# Altium PCB Fri3D_2018_00.PcbDoc (part 1 of 2)
Units mm, origin at the board's own origin, x right, y up, seen from the top; angles counter-clockwise.
Board outline 118.52 x 103.1 mm, 2 copper layers (Top Layer, Bottom Layer), stack 1.571 mm thick; 163 components, 107 nets, 522 pads, 207 vias.
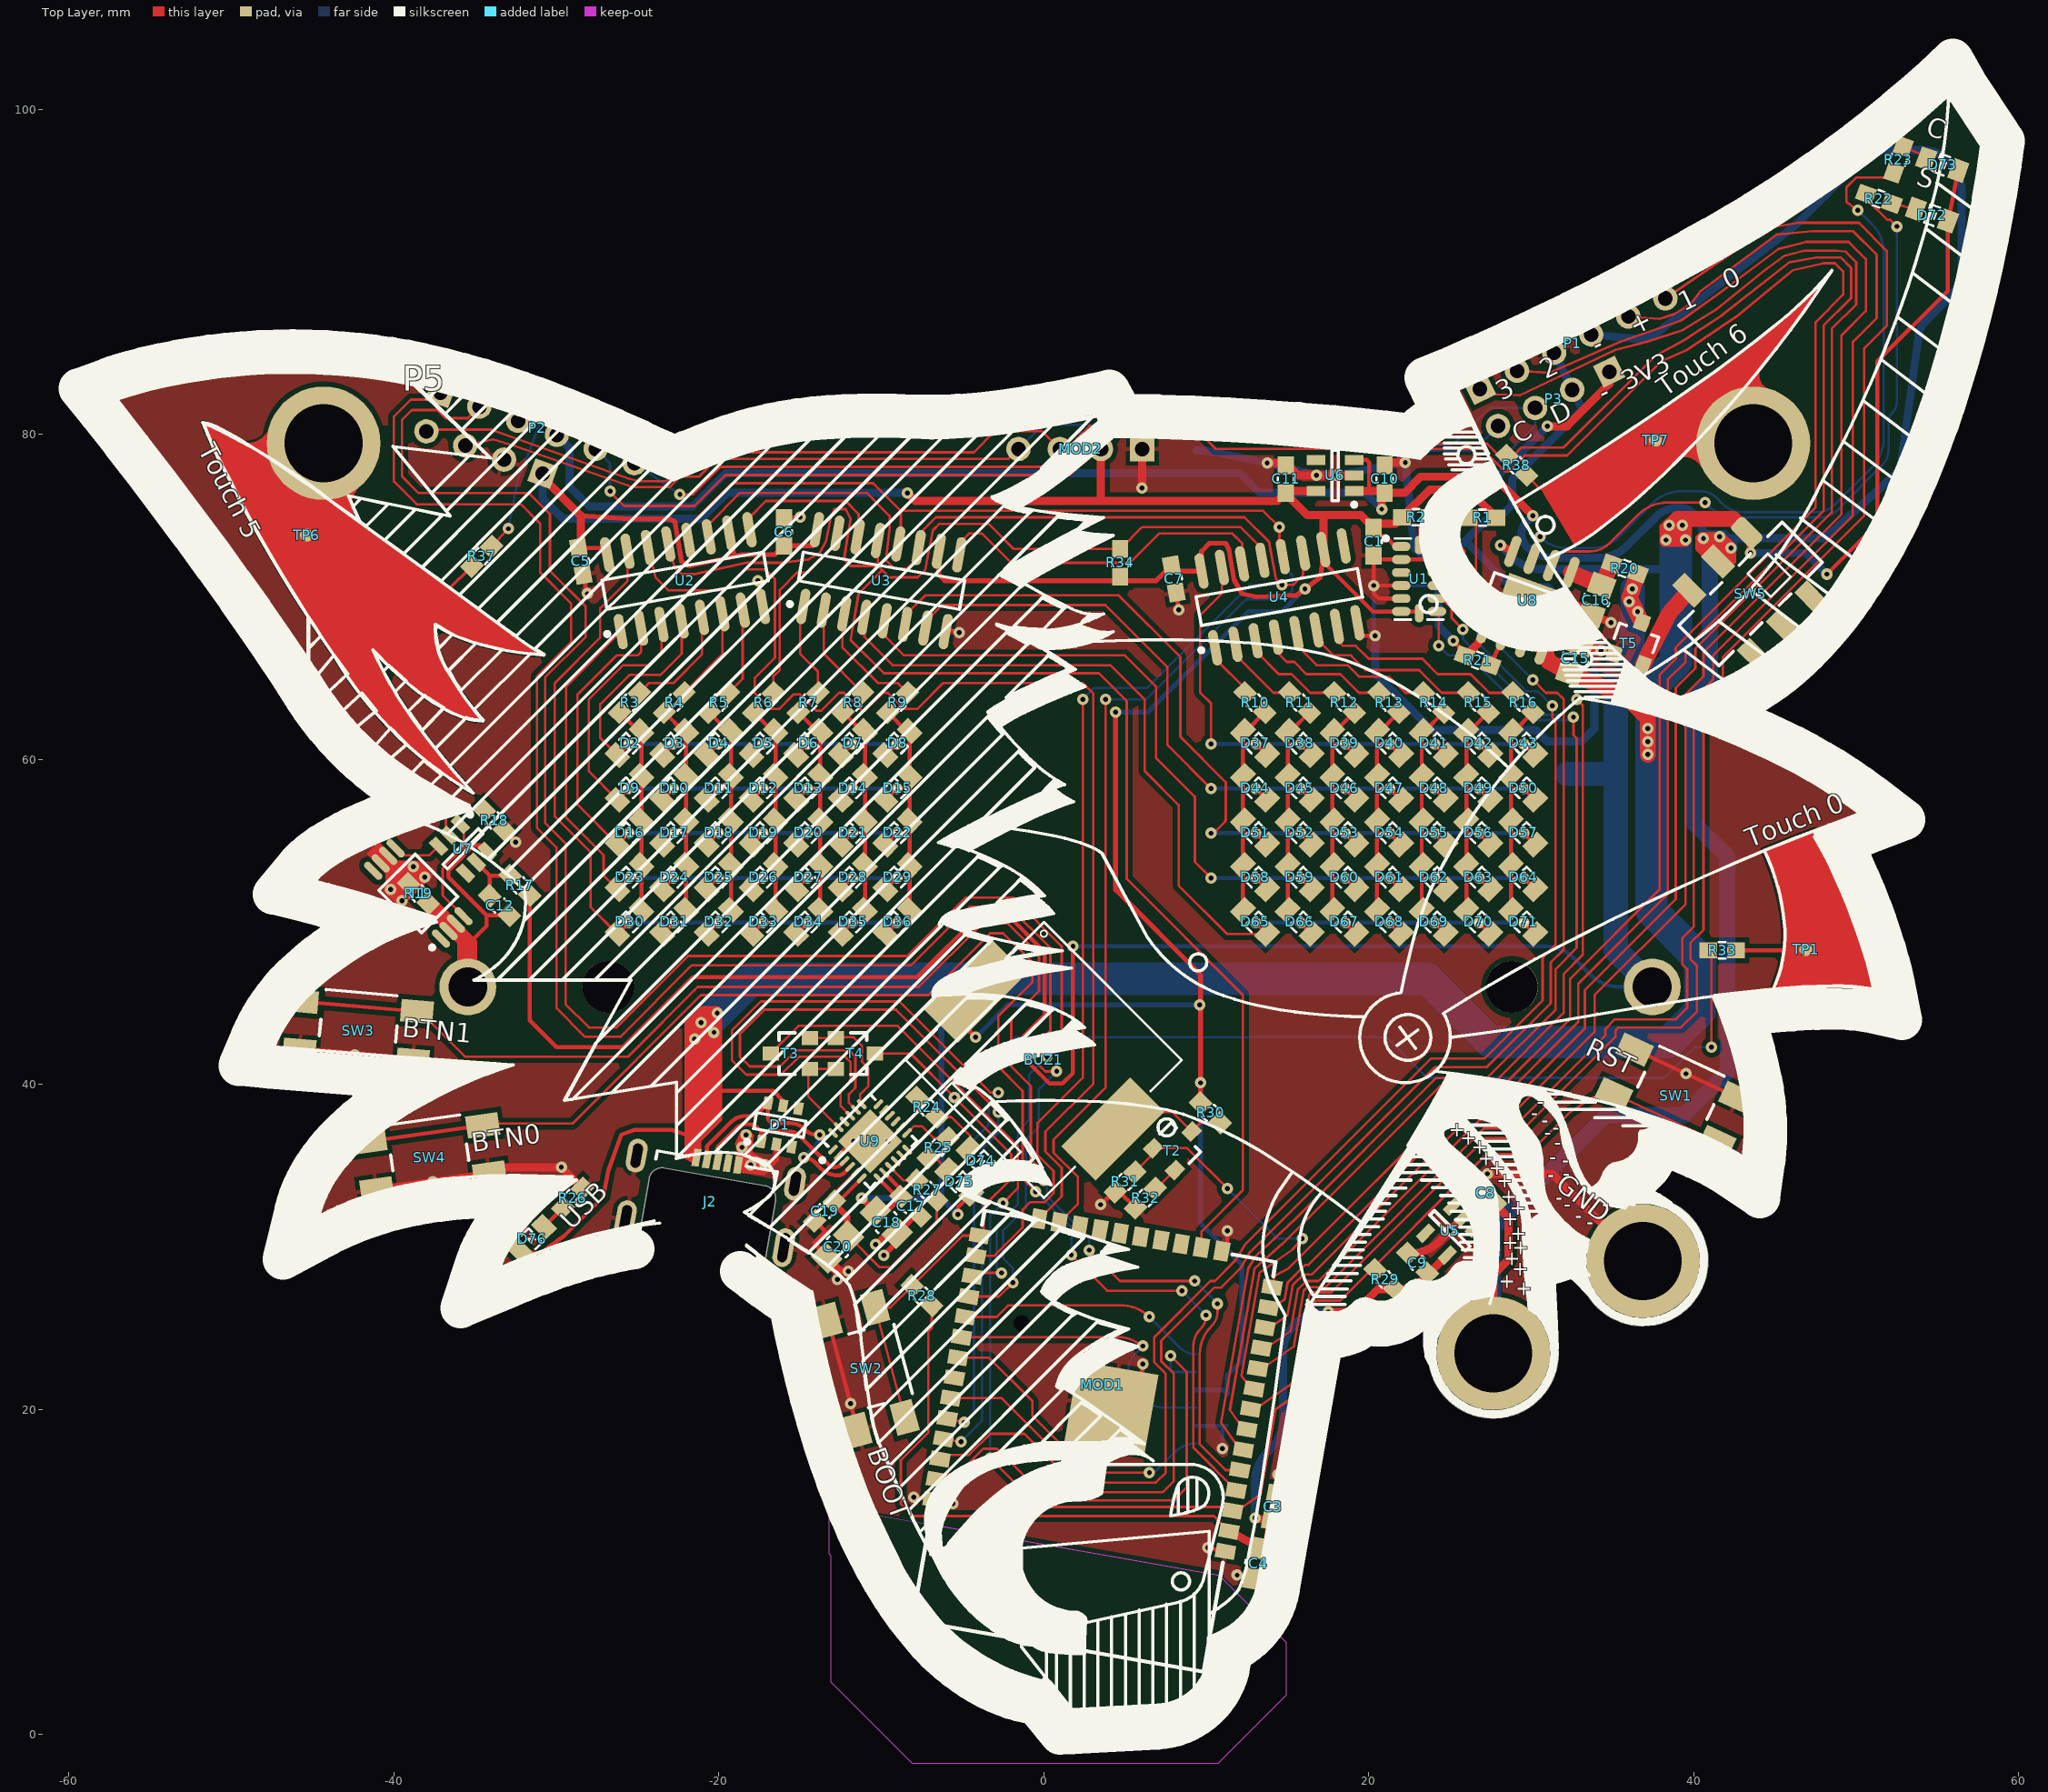
[diagram p0: Top Layer view]
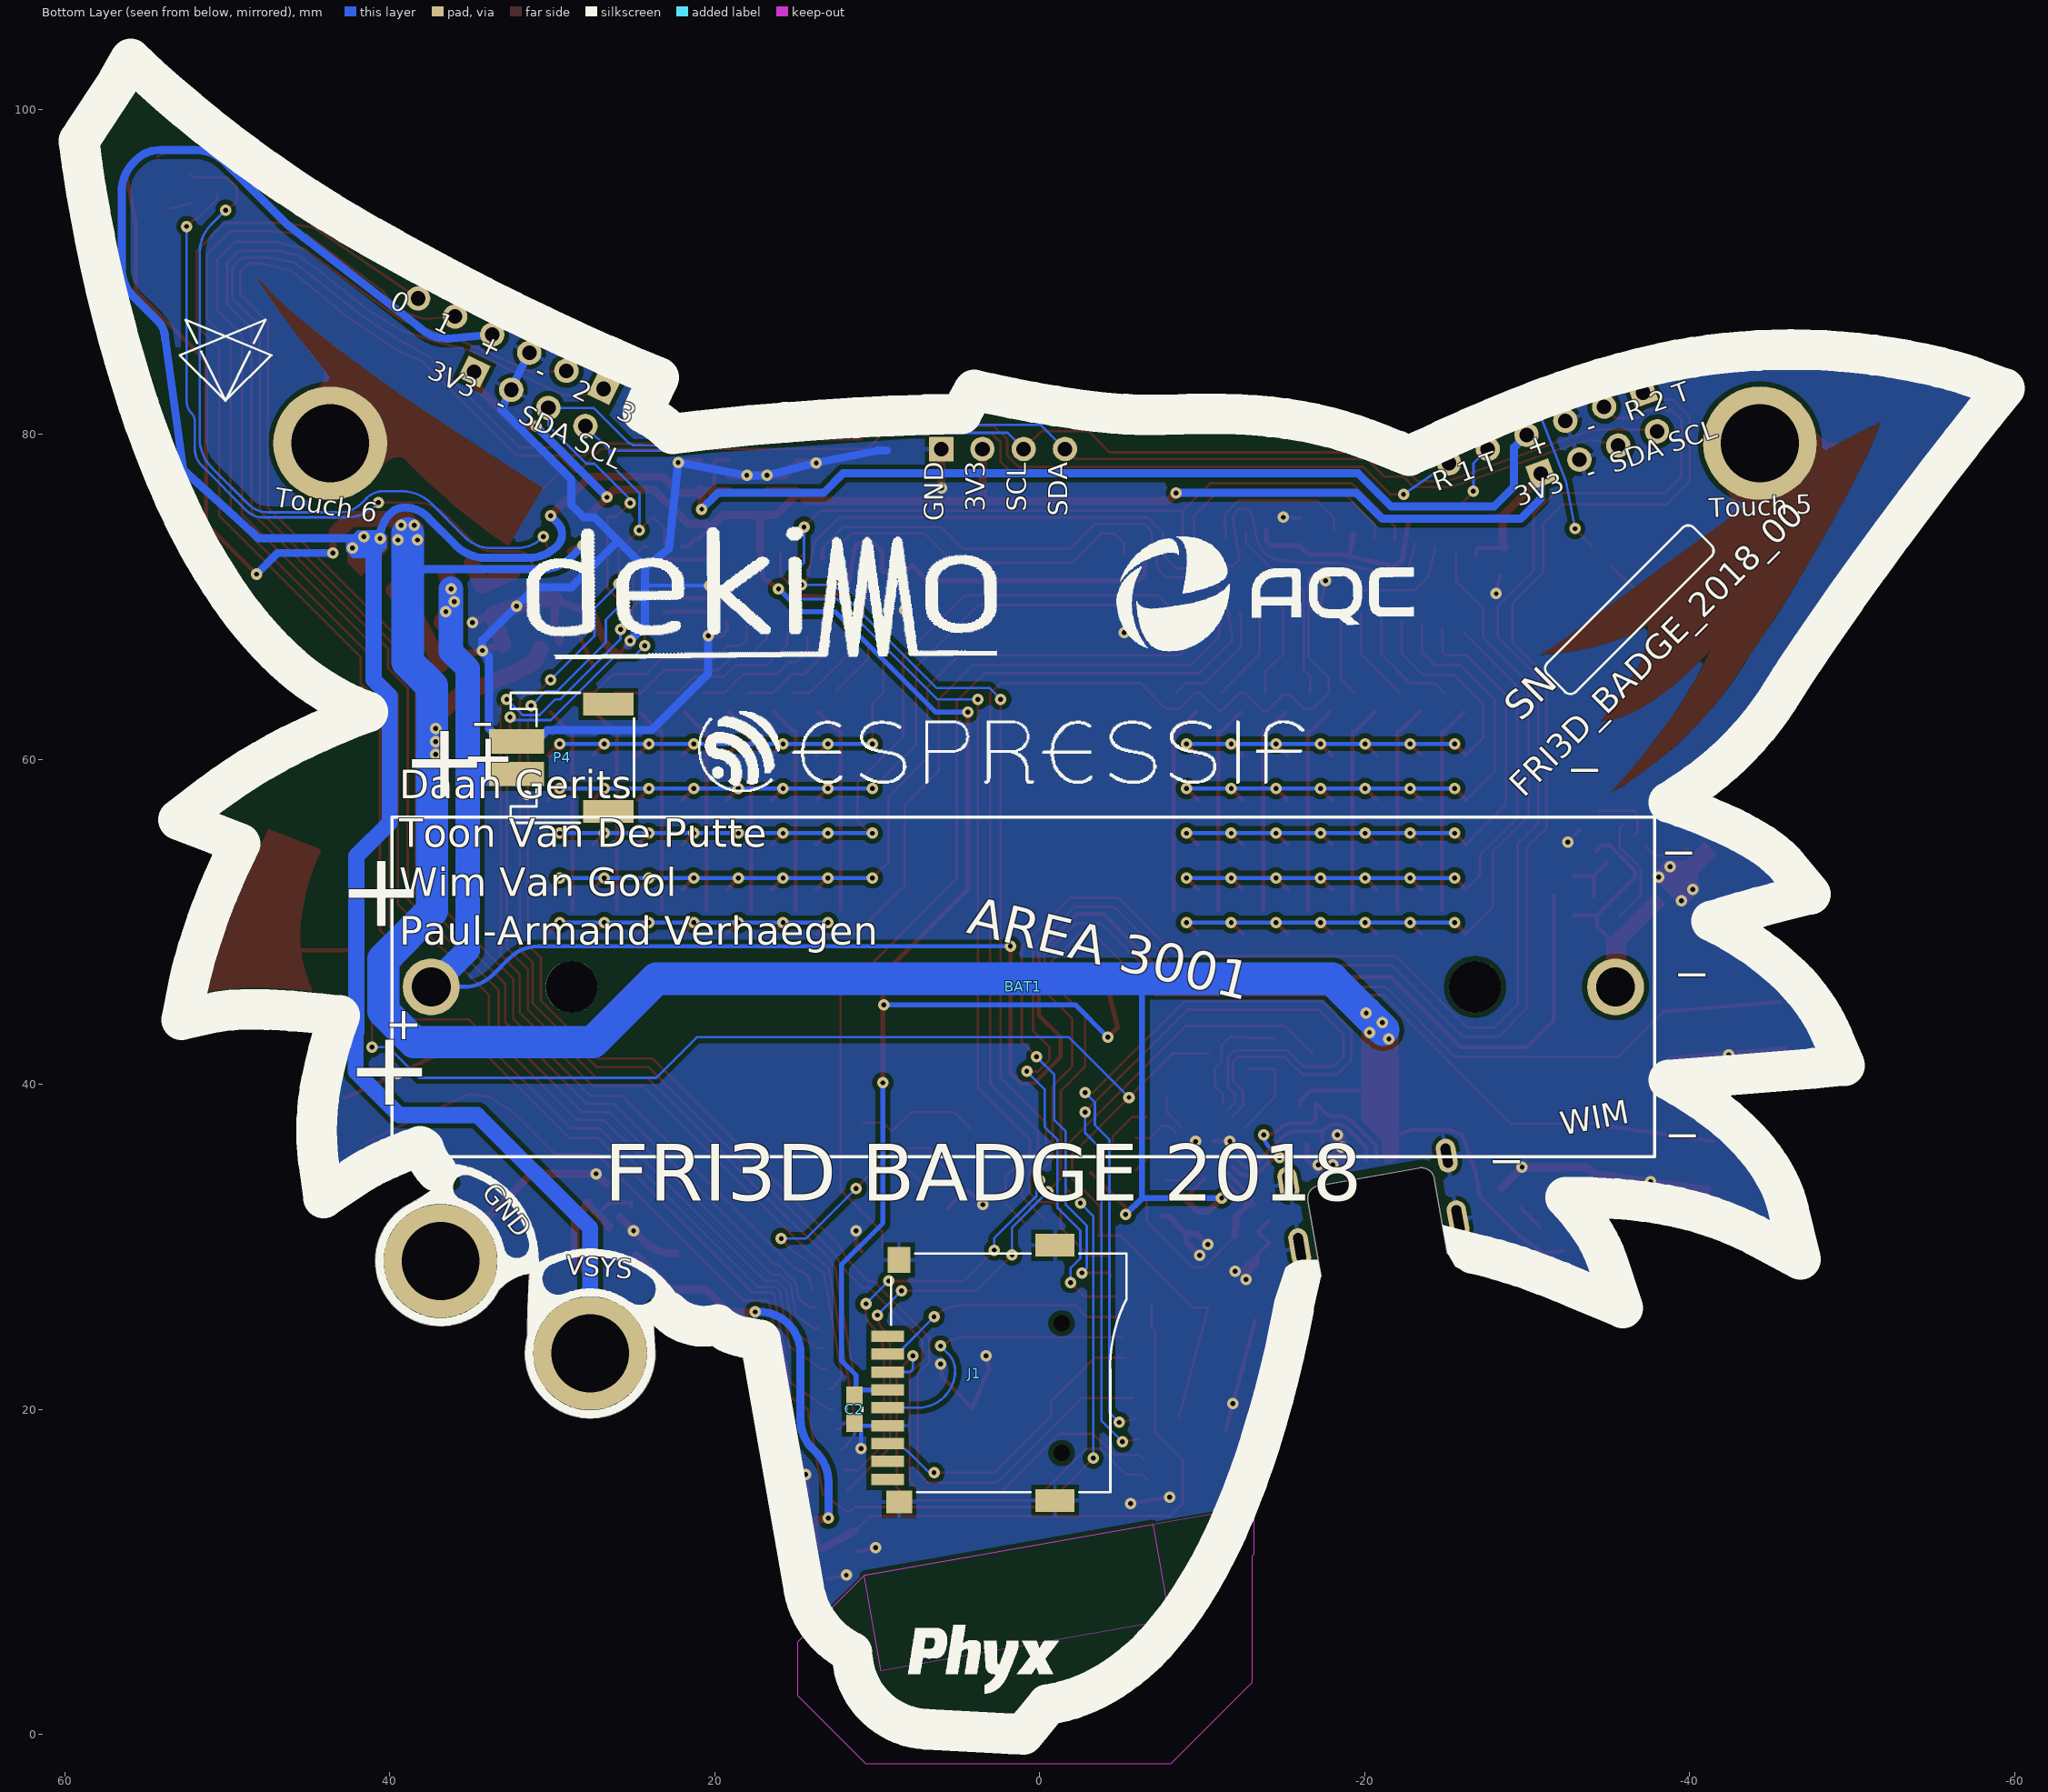
[diagram p1: Bottom Layer view, seen from below]

## Layer stack, top to bottom
Top Solder: solder mask 0.0102, Solder Resist, Dk 3.5
Top Layer: signal copper 0.0356
Dielectric1: core 1.5, FR-4, Dk 4.8
Bottom Layer: signal copper 0.0356
Bottom Solder: solder mask 0.0102, Solder Resist, Dk 3.5

## Board outline
-46.831,29.242 -44.044,30.723 cw(c-34.848,12.614) -37.177,32.79 cw(c-33.115,1.293) -33.039,33.051 -32.369,33.051 ccw(c-23.207,24.009) -34.187,30.727 ccw(c-26.431,26.065) -34.6,29.958 ccw(c-28.079,26.847) -34.908,29.206 -35.896,26.243 -33.039,27.443 cw(c-13.061,-18.983) -30.167,28.576 cw(c-18.949,-2.851) -28.917,28.994 cw(c-21.186,4.406) -26.654,29.594 -25.109,29.582 -24.293,34.211 cw(c-23.505,34.072) -23.366,34.86 -17.162,33.766 cw(c-17.301,32.978) -16.513,32.839 -17.329,28.21 -16.2,27.9 -15.649,26.314 ccw(c51.424,38.541) -13.147,16.656 ccw(c33.759,32.76) -11.945,13.51 ccw(c19.038,26.436) -9.406,8.603 ccw(c8.843,20.13) -7.501,6.032 ccw(c2.677,14.564) -3.465,2.789 ccw(c1.013,11.647) -0.481,1.834 0.541,0.564 1,0 1.741,0.035 6.996,0.317 ccw(c6.734,5.124) 11.547,5.044 ccw(c9.211,9.899) 14.51,8.924 17.19,24.268 17.444,24.31 17.571,24.332 17.698,24.353 17.825,24.374 cw(c18.071,23.567) 17.965,24.404 ccw(c17.596,27.206) 18.111,24.427 ccw(c17.998,24.999) 18.178,24.444 ccw(c17.647,27.824) 19.237,24.795 ccw(c17.875,27.345) 19.836,25.22 ccw(c20.687,28.593) 20.683,25.115 ccw(c20.711,29.349) 20.852,25.117 ccw(c20.787,26.819) 20.937,25.122 ccw(c20.827,26.355) 21.021,25.133 ccw(c20.864,26.12) 21.106,25.15 ccw(c20.716,28.109) 23.152,26.384 ccw(c23.413,27.488) 23.333,26.357 ccw(c23.502,28.497) 23.429,26.351 ccw(c23.55,29.886) 23.522,26.349 23.61,26.349 23.751,26.349 cw(c-1.62,25.675) 23.667,23.499 ccw(c27.667,23.456) 31.529,24.498 cw(c44.434,24.699) 31.538,25.223 31.438,27.499 31.406,28.43 cw(c30.701,25.031) 33.306,27.325 ccw(c36.873,29.136) 38.574,32.756 cw(c185.418,278.555) 37.524,33.387 ccw(c32.9,24.279) 36.132,33.968 ccw(c34.843,36.849) 37.896,36.049 ccw(c37.157,37.473) 37.993,36.104 cw(c41.169,30.861) 38.097,36.166 cw(c38.592,35.303) 38.143,36.19 cw(c30.015,12.539) 40.033,35.454 cw(c32.952,19.355) 40.843,35.073 cw(c34.673,22.779) 41.564,34.684 cw(c36.213,25.434) 42.199,34.286 44.069,33.016 44.386,35.238 ccw(c28.691,37.148) 44.175,40.345 ccw(c19.39,35.466) 43.081,44.233 cw(c52.7,-39.834) 45.519,44.476 cw(c49.833,-6.857) 46.599,44.555 cw(c48.897,8.101) 47.585,44.604 cw(c48.507,19.122) 48.478,44.621 cw(c48.509,28.478) 49.519,44.589 cw(c48.765,32.828) 49.964,44.552 cw(c49.034,35.445) 50.357,44.503 cw(c49.377,37.778) 50.7,44.444 52.817,43.986 52.393,46.102 ccw(c24.515,40.037) 51.587,49.043 ccw(c15.367,37.437) 49.395,54.427 49.219,54.815 50.665,55.379 52.993,56.296 51.018,57.813 ccw(c31.721,32.207) 45.329,61.239 ccw(c24.6,17.956) 41.353,62.928 41.635,63.034 ccw(c36.007,77.281) 46.98,66.591 ccw(c29.59,84.015) 49.889,70.089 ccw(c19.564,90.906) 52.764,75.073 ccw(c1.804,99.416) 55.462,81.799 ccw(c-29.151,109.44) 58.926,96.563 ccw(c20.599,102.184) 59.06,97.566 59.131,98.06 58.848,98.483 56.767,101.658 55.956,103.104 54.721,101.94 cw(c3.785,158.333) 39.839,91.439 cw(c-31.843,218.969) 32.479,87.573 cw(c-38.33,231.876) 24.81,84.056 23.434,83.492 24.069,82.152 24.069,82.116 cw(c14.657,77.412) 24.231,81.776 cw(c11.596,76.001) 24.422,81.34 ccw(c27.309,75.341) 22.587,80.035 ccw(c6.323,-47.009) 17.808,80.556 ccw(c1.227,-102.711) 4.81,81.27 4.527,81.834 4.034,82.751 3.011,82.504 cw(c-11.696,148.768) -2.29,81.547 cw(c-8.121,123.995) -4.545,81.298 cw(c-6.868,108.571) -6.76,81.199 -7.571,81.199 -8.697,81.239 -9.248,81.255 -9.789,81.266 -10.323,81.27 ccw(c-10.716,48.802) -16.126,80.818 ccw(c-11.91,57.715) -20.196,79.69 ccw(c5.807,9.901) -22.034,78.977 -22.739,78.695 cw(c-2.471,126.649) -24.785,79.612 -24.82,79.647 ccw(c-74.838,-30.977) -29.513,81.651 ccw(c-54.152,19.741) -32.185,82.649 ccw(c-49.77,32.512) -38.224,84.374 ccw(c-46.212,47.113) -46.231,85.22 ccw(c-46.302,46.761) -55.392,84.131 ccw(c-48.986,58.151) -56.942,83.699 ccw(c-53.642,72.927) -57.554,83.492 -59.388,82.822 -58.153,81.305 cw(c-233.349,-58.257) -55.372,77.741 cw(c-258.509,-78.072) -49.584,69.889 cw(c-187.813,-27.921) -46.443,65.291 cw(c-71.206,48.849) -46.034,64.658 -45.838,64.346 -45.646,64.039 -45.455,63.739 ccw(c-29.157,74.306) -40.36,58.438 ccw(c-26.063,78.312) -38.718,57.354 ccw(c-27.783,24.26) -42.646,55.786 ccw(c-35.246,40.33) -44.107,54.998 ccw(c-38.922,46.383) -45.241,54.204 ccw(c-41.651,49.739) -46.055,53.404 -47.43,51.711 -45.314,51.182 cw(c-68.525,-37.627) -42.065,50.268 -41.363,50.053 ccw(c-33.581,33.622) -46.262,46.65 ccw(c-37.267,37.644) -47.693,44.945 ccw(c-38.813,38.732) -48.806,42.928 -49.547,41.164 -47.642,40.988 -42.413,40.551 -38.718,40.282 ccw(c-28.52,21.283) -42.283,37.882 ccw(c-32.683,26.397) -43.922,36.285 ccw(c-35.655,28.996) -45.245,34.426 ccw(c-37.879,30.259) -46.09,32.31

## Design rules (kind name [scope] priority, off if disabled: settings)
BoardOutlineClearance BoardOutlineClearance_USB [HasFootprint('MLX_0476420001')] p1: gap=0.3 ignorepadtopadclearanceinfootprint=FALSE except(0: Arc-SplitContinuation Track-SplitContinuation SMDPad-SplitContinuation THPad-SplitContinuation Via-SplitContinuation Fill-SplitContinuation Poly-SplitContinuation Region-SplitContinuation Text-SplitContinuation)
BoardOutlineClearance BoardOutlineClearance_SILK [OnLayer('Bottom Overlay') OR OnLayer('Top Overlay')] p2: gap=0 ignorepadtopadclearanceinfootprint=FALSE
BoardOutlineClearance [NOT IsText] p3: gap=0.5 ignorepadtopadclearanceinfootprint=FALSE except(0: Arc-SplitContinuation Track-SplitContinuation SMDPad-SplitContinuation THPad-SplitContinuation Via-SplitContinuation Fill-SplitContinuation Poly-SplitContinuation Region-SplitContinuation Text-SplitContinuation; 0.4: SMDPad-OutlineEdge THPad-OutlineEdge)
Clearance Clearance_GND_POLY [InNamedPolygon('B_GND')] p1: gap=0.4 ignorepadtopadclearanceinfootprint=FALSE except(0: Arc-Hole Track-Hole SMDPad-Hole THPad-Hole Via-Hole Fill-Hole Poly-Hole Region-Hole Text-Hole)
Clearance [All] p2: gap=0.15 ignorepadtopadclearanceinfootprint=FALSE except(0: Arc-Hole Track-Hole SMDPad-Hole THPad-Hole Via-Hole Fill-Hole Poly-Hole Region-Hole Text-Hole; 0.3: Arc-Poly Track-Poly SMDPad-Poly THPad-Poly Via-Poly Fill-Poly; 1.1: Poly-Poly)
DiffPairsRouting [All] p1: maxlimit=0.254 minlimit=0.254 mostfreqgap=0.254 toplayer_minwidth=0.25 toplayer_maxwidth=0.381 toplayer_prefwidth=0.381 bottomlayer_minwidth=0.25 bottomlayer_maxwidth=0.381 bottomlayer_prefwidth=0.381 maxuncoupledlength=12.7
HoleSize [All] p1: absolutevalues=TRUE maxlimit=10 minlimit=0.025 maxpercent=80.000 minpercent=20.000
PolygonConnect PolygonConnect_VIA [IsVia] p1: connectstyle=Direct reliefconductorwidth=0.254 reliefentries=4 polygonreliefangle="90 Angle" airgapwidth=0.254
PolygonConnect [All] p2: connectstyle=Relief reliefconductorwidth=0.254 reliefentries=4 polygonreliefangle="90 Angle" airgapwidth=0.254
RoutingVias [All] p1: holewidth=0.3 width=0.7 viastyle="Through Hole" minholewidth=0.3 minwidth=0.2 maxholewidth=0.6 maxwidth=1.2
SilkToSolderMaskClearance SilkscreenOverComponentPads [IsPad] p1: minsilkscreentomaskgap=0.254 clearancetoexposedcopper=TRUE
SolderMaskExpansion [All] p1: expansion=0.05
Width [All] p1: maxlimit=2 minlimit=0.15 preferedwidth=0.25
27 further rules are at their usual default settings.

## Classes and differential pairs
net class TOUCH.[0..6]: TOUCH.0 TOUCH.5 TOUCH.6
net class BTN.[0..1]: BTN.0 BTN.1 BTN.2 BTN.3
net class ACC.INT[1..2]: ACC.INT1 ACC.INT2
component class Power: BAT1 C8 C9 C10 C11 C12 C15 C16 D72 D73 P4 R17 R18 R19 R20 R21 R22 R23 SW5 T1 T5 U5 U6 U7 U8
component class Eyes: C5 C6 C7 D2 D3 D4 D5 D6 D7 D8 D9 D10 D11 D12 D13 D14 D15 D16 D17 D18 D19 D20 D21 D22 D23 D24 D25 D26 D27 D28 D29 D30 D31 D32 D33 D34 D35 D36 D37 D38 D39 D40 D41 D42 D43 D44 D45 D46 D47 D48 D49 D50 D51 D52 D53 D54 D55 D56 D57 D58 D59 D60 D61 D62 D63 D64 D65 D66 D67 D68 D69 D70 D71 R3 R4 R5 R6 R7 R8 R9 R10 R11 R12 R13 R14 R15 R16 R34 U2 U3 U4
component class Controller: C3 C4 C17 C18 C19 C20 D74 D75 D76 MOD1 R1 R2 R24 R25 R26 R27 R28 R29 R33 R37 R38 T3 T4 U9
net class POWER: 3V3_AUX 3V3_ESP 3V3_Pi 3V3_USB 5V_Pi GBAT GND NetC16_1 VBAT VBAT_SW VSYS VUSB
component class Fri3D_2018_00: BUZ1 C1 C2 D1 J1 J2 MOD2 P1 P2 P3 P5 R30 R31 R32 SW1 SW2 SW3 SW4 T2 TP1 TP6 TP7 U1
net class 90r: USB.D_n USB.D_p
net class PWM.[0..3]: PWM.0 PWM.1 PWM.2 PWM.3
differential pair USB.D: +USB.D_p -USB.D_n

## Components (designator, comment, footprint, x,y, rotation, side; value= is the part's Value field where it differs from the comment)
BAT1 "18650 Battery holder" MPD_BH-18650-PC 1,46 r0 bottom locked value=BH-18650-PC
BUZ1 "12x12x3mm Piezo Buzzer Transducer 81dB" CUI_CMT-1203-SMT 0,41.5 r315 top locked value=CMT-1203-SMT
C1 "" C0603_N 20.3,73.4 r270 top value="100nF 16V"
C2 "" C0603_N 11.4,20 r270 bottom value="100nF 16V"
C3 "" C0603_N 14.1,14 r80 top value="100nF 16V"
C4 "CAP_CERAMIC" C0805_N 13.2,10.5 r260 top value="10uF 10V"
C5 "" C0603_N -28.5,72.2 r280 top value="100nF 16V"
C6 "" C0603_N -16,74 r90 top value="100nF 16V"
C7 "" C0603_N 8,71.1 r280 top value="100nF 16V"
C8 "CAP_CERAMIC" C0603_N 27.2,33.3 r135 top value="1uF 16V"
C9 "CAP_CERAMIC" C0603_N 23,29 r135 top value="1uF 16V"
C10 "CAP_CERAMIC" C0603_N 20.975,77.25 r90 top value="1uF 16V"
C11 "CAP_CERAMIC" C0603_N 14.9,77.25 r90 top value="1uF 16V"
C12 "" C0603_N -33.5,51 r315 top value="100nF 16V"
C15 "CAP_CERAMIC" C0805_N 32.7,66.2 r70 top value="10uF 10V"
C16 "CAP_CERAMIC" C0805_N 34,69.8 r250 top value="10uF 10V"
C17 "" C0603_N -8.194,32.5 r315 top value="100nF 16V"
C18 "CAP_CERAMIC" C0805_N -9.694,31.5 r135 top value="10uF 10V"
C19 "" C0603_N -13.494,32.2 r225 top value="100nF 16V"
C20 "CAP_CERAMIC" C0805_N -12.694,30 r45 top value="10uF 10V"
D1 "TVS Diode Dual USB" NXP_SOT457 -16.25,37.5 r80 top value=IP4220CZ6
D2 "Default 0805 Blue LED" LED_0805_BL -25.5,61 r45 top
D3 "Default 0805 Blue LED" LED_0805_BL -22.75,61 r45 top
D4 "Default 0805 Blue LED" LED_0805_BL -20,61 r45 top
D5 "Default 0805 Blue LED" LED_0805_BL -17.25,61 r45 top
D6 "Default 0805 Blue LED" LED_0805_BL -14.5,61 r45 top
D7 "Default 0805 Blue LED" LED_0805_BL -11.75,61 r45 top
D8 "Default 0805 Blue LED" LED_0805_BL -9,61 r45 top
D9 "Default 0805 Blue LED" LED_0805_BL -25.5,58.25 r45 top
D10 "Default 0805 Blue LED" LED_0805_BL -22.75,58.25 r45 top
D11 "Default 0805 Blue LED" LED_0805_BL -20,58.25 r45 top
D12 "Default 0805 Blue LED" LED_0805_BL -17.25,58.25 r45 top
D13 "Default 0805 Blue LED" LED_0805_BL -14.5,58.25 r45 top
D14 "Default 0805 Blue LED" LED_0805_BL -11.75,58.25 r45 top
D15 "Default 0805 Blue LED" LED_0805_BL -9,58.25 r45 top
D16 "Default 0805 Blue LED" LED_0805_BL -25.5,55.5 r45 top
D17 "Default 0805 Blue LED" LED_0805_BL -22.75,55.5 r45 top
D18 "Default 0805 Blue LED" LED_0805_BL -20,55.5 r45 top
D19 "Default 0805 Blue LED" LED_0805_BL -17.25,55.5 r45 top
D20 "Default 0805 Blue LED" LED_0805_BL -14.5,55.5 r45 top
D21 "Default 0805 Blue LED" LED_0805_BL -11.75,55.5 r45 top
D22 "Default 0805 Blue LED" LED_0805_BL -9,55.5 r45 top
D23 "Default 0805 Blue LED" LED_0805_BL -25.5,52.75 r45 top
D24 "Default 0805 Blue LED" LED_0805_BL -22.75,52.75 r45 top
D25 "Default 0805 Blue LED" LED_0805_BL -20,52.75 r45 top
D26 "Default 0805 Blue LED" LED_0805_BL -17.25,52.75 r45 top
D27 "Default 0805 Blue LED" LED_0805_BL -14.5,52.75 r45 top
D28 "Default 0805 Blue LED" LED_0805_BL -11.75,52.75 r45 top
D29 "Default 0805 Blue LED" LED_0805_BL -9,52.75 r45 top
D30 "Default 0805 Blue LED" LED_0805_BL -25.5,50 r45 top
D31 "Default 0805 Blue LED" LED_0805_BL -22.75,50 r45 top
D32 "Default 0805 Blue LED" LED_0805_BL -20,50 r45 top
D33 "Default 0805 Blue LED" LED_0805_BL -17.25,50 r45 top
D34 "Default 0805 Blue LED" LED_0805_BL -14.5,50 r45 top
D35 "Default 0805 Blue LED" LED_0805_BL -11.75,50 r45 top
D36 "Default 0805 Blue LED" LED_0805_BL -9,50 r45 top
D37 "Default 0805 Blue LED" LED_0805_BL 13,61 r135 top
D38 "Default 0805 Blue LED" LED_0805_BL 15.75,61 r135 top
D39 "Default 0805 Blue LED" LED_0805_BL 18.5,61 r135 top
D40 "Default 0805 Blue LED" LED_0805_BL 21.25,61 r135 top
D41 "Default 0805 Blue LED" LED_0805_BL 24,61 r135 top
D42 "Default 0805 Blue LED" LED_0805_BL 26.75,61 r135 top
D43 "Default 0805 Blue LED" LED_0805_BL 29.5,61 r135 top
D44 "Default 0805 Blue LED" LED_0805_BL 13,58.25 r135 top
D45 "Default 0805 Blue LED" LED_0805_BL 15.75,58.25 r135 top
D46 "Default 0805 Blue LED" LED_0805_BL 18.5,58.25 r135 top
D47 "Default 0805 Blue LED" LED_0805_BL 21.25,58.25 r135 top
D48 "Default 0805 Blue LED" LED_0805_BL 24,58.25 r135 top
D49 "Default 0805 Blue LED" LED_0805_BL 26.75,58.25 r135 top
D50 "Default 0805 Blue LED" LED_0805_BL 29.5,58.25 r135 top
D51 "Default 0805 Blue LED" LED_0805_BL 13,55.5 r135 top
D52 "Default 0805 Blue LED" LED_0805_BL 15.75,55.5 r135 top
D53 "Default 0805 Blue LED" LED_0805_BL 18.5,55.5 r135 top
D54 "Default 0805 Blue LED" LED_0805_BL 21.25,55.5 r135 top
D55 "Default 0805 Blue LED" LED_0805_BL 24,55.5 r135 top
D56 "Default 0805 Blue LED" LED_0805_BL 26.75,55.5 r135 top
D57 "Default 0805 Blue LED" LED_0805_BL 29.5,55.5 r135 top
D58 "Default 0805 Blue LED" LED_0805_BL 13,52.75 r135 top
D59 "Default 0805 Blue LED" LED_0805_BL 15.75,52.75 r135 top
D60 "Default 0805 Blue LED" LED_0805_BL 18.5,52.75 r135 top
D61 "Default 0805 Blue LED" LED_0805_BL 21.25,52.75 r135 top
D62 "Default 0805 Blue LED" LED_0805_BL 24,52.75 r135 top
D63 "Default 0805 Blue LED" LED_0805_BL 26.75,52.75 r135 top
D64 "Default 0805 Blue LED" LED_0805_BL 29.5,52.75 r135 top
D65 "Default 0805 Blue LED" LED_0805_BL 13,50 r135 top
D66 "Default 0805 Blue LED" LED_0805_BL 15.75,50 r135 top
D67 "Default 0805 Blue LED" LED_0805_BL 18.5,50 r135 top
D68 "Default 0805 Blue LED" LED_0805_BL 21.25,50 r135 top
D69 "Default 0805 Blue LED" LED_0805_BL 24,50 r135 top
D70 "Default 0805 Blue LED" LED_0805_BL 26.75,50 r135 top
D71 "Default 0805 Blue LED" LED_0805_BL 29.5,50 r135 top
D72 "Default 0805 Green LED" LED_0805_GR 54.664,93.498 r160 top
D73 "Default 0805 Red LED" LED_0805_RD 55.3,96.6 r160 top
D74 "Default 0805 Red LED" LED_0805_RD -3.9,35.3 r135 top
D75 "Default 0805 Green LED" LED_0805_GR -5.2,34 r135 top
D76 "Default 0805 Blue LED" LED_0805_BL -31.5,30.5 r45 top
J1 "Micro SD PiPo Push-Push" TFP09-2-12B 4,22.2 r90 bottom value=TFP09-2-12B
J2 "Molex 0476420001" MLX_0476420001 -20.095,35.268 r350 top locked value=0476420001
MOD1 "ESP-32 based ESP-WROOM-32" ESP-WROOM-32 3.75,21.791 r170 top locked value=ESP-WROOM-32
MOD2 "SSD1306 based 128x64 OLED, I2C, module" OLED_MOD_0.96_I2C 2.25,79.1 r180 top value="128x64 I2C OLED"
P1 "Header 6" HDR1X6 26.844,82.8 r26 top
P2 "Header 6" HDR1X6 -37.131,82.575 r340 top locked
P3 "Header 4" HDR1X4 34.806,83.857 r206 top
P4 "Header 2.0mm Shrouded 2" WE_620102131822 32.2,59.1 r90 bottom value=620102131822
P5 "Header 4" HDR1X4 -30.839,77.582 r160 top locked
R1 "" R0603_N 27,74.875 r180 top value=1K
R2 "" R0603_N 22.9,74.9 r0 top value=1K
R3 "RESISTOR" R0603_N -25.5,63.5 r45 top value=100R
R4 "RESISTOR" R0603_N -22.75,63.5 r45 top value=100R
R5 "RESISTOR" R0603_N -20,63.5 r45 top value=100R
R6 "RESISTOR" R0603_N -17.25,63.5 r45 top value=100R
R7 "RESISTOR" R0603_N -14.5,63.5 r45 top value=100R
R8 "RESISTOR" R0603_N -11.75,63.5 r45 top value=100R
R9 "RESISTOR" R0603_N -9,63.5 r45 top value=100R
R10 "RESISTOR" R0603_N 13,63.5 r135 top value=100R